# Altium PCB RS2-708_V010.PcbDoc (part 3 of 4) (continued)
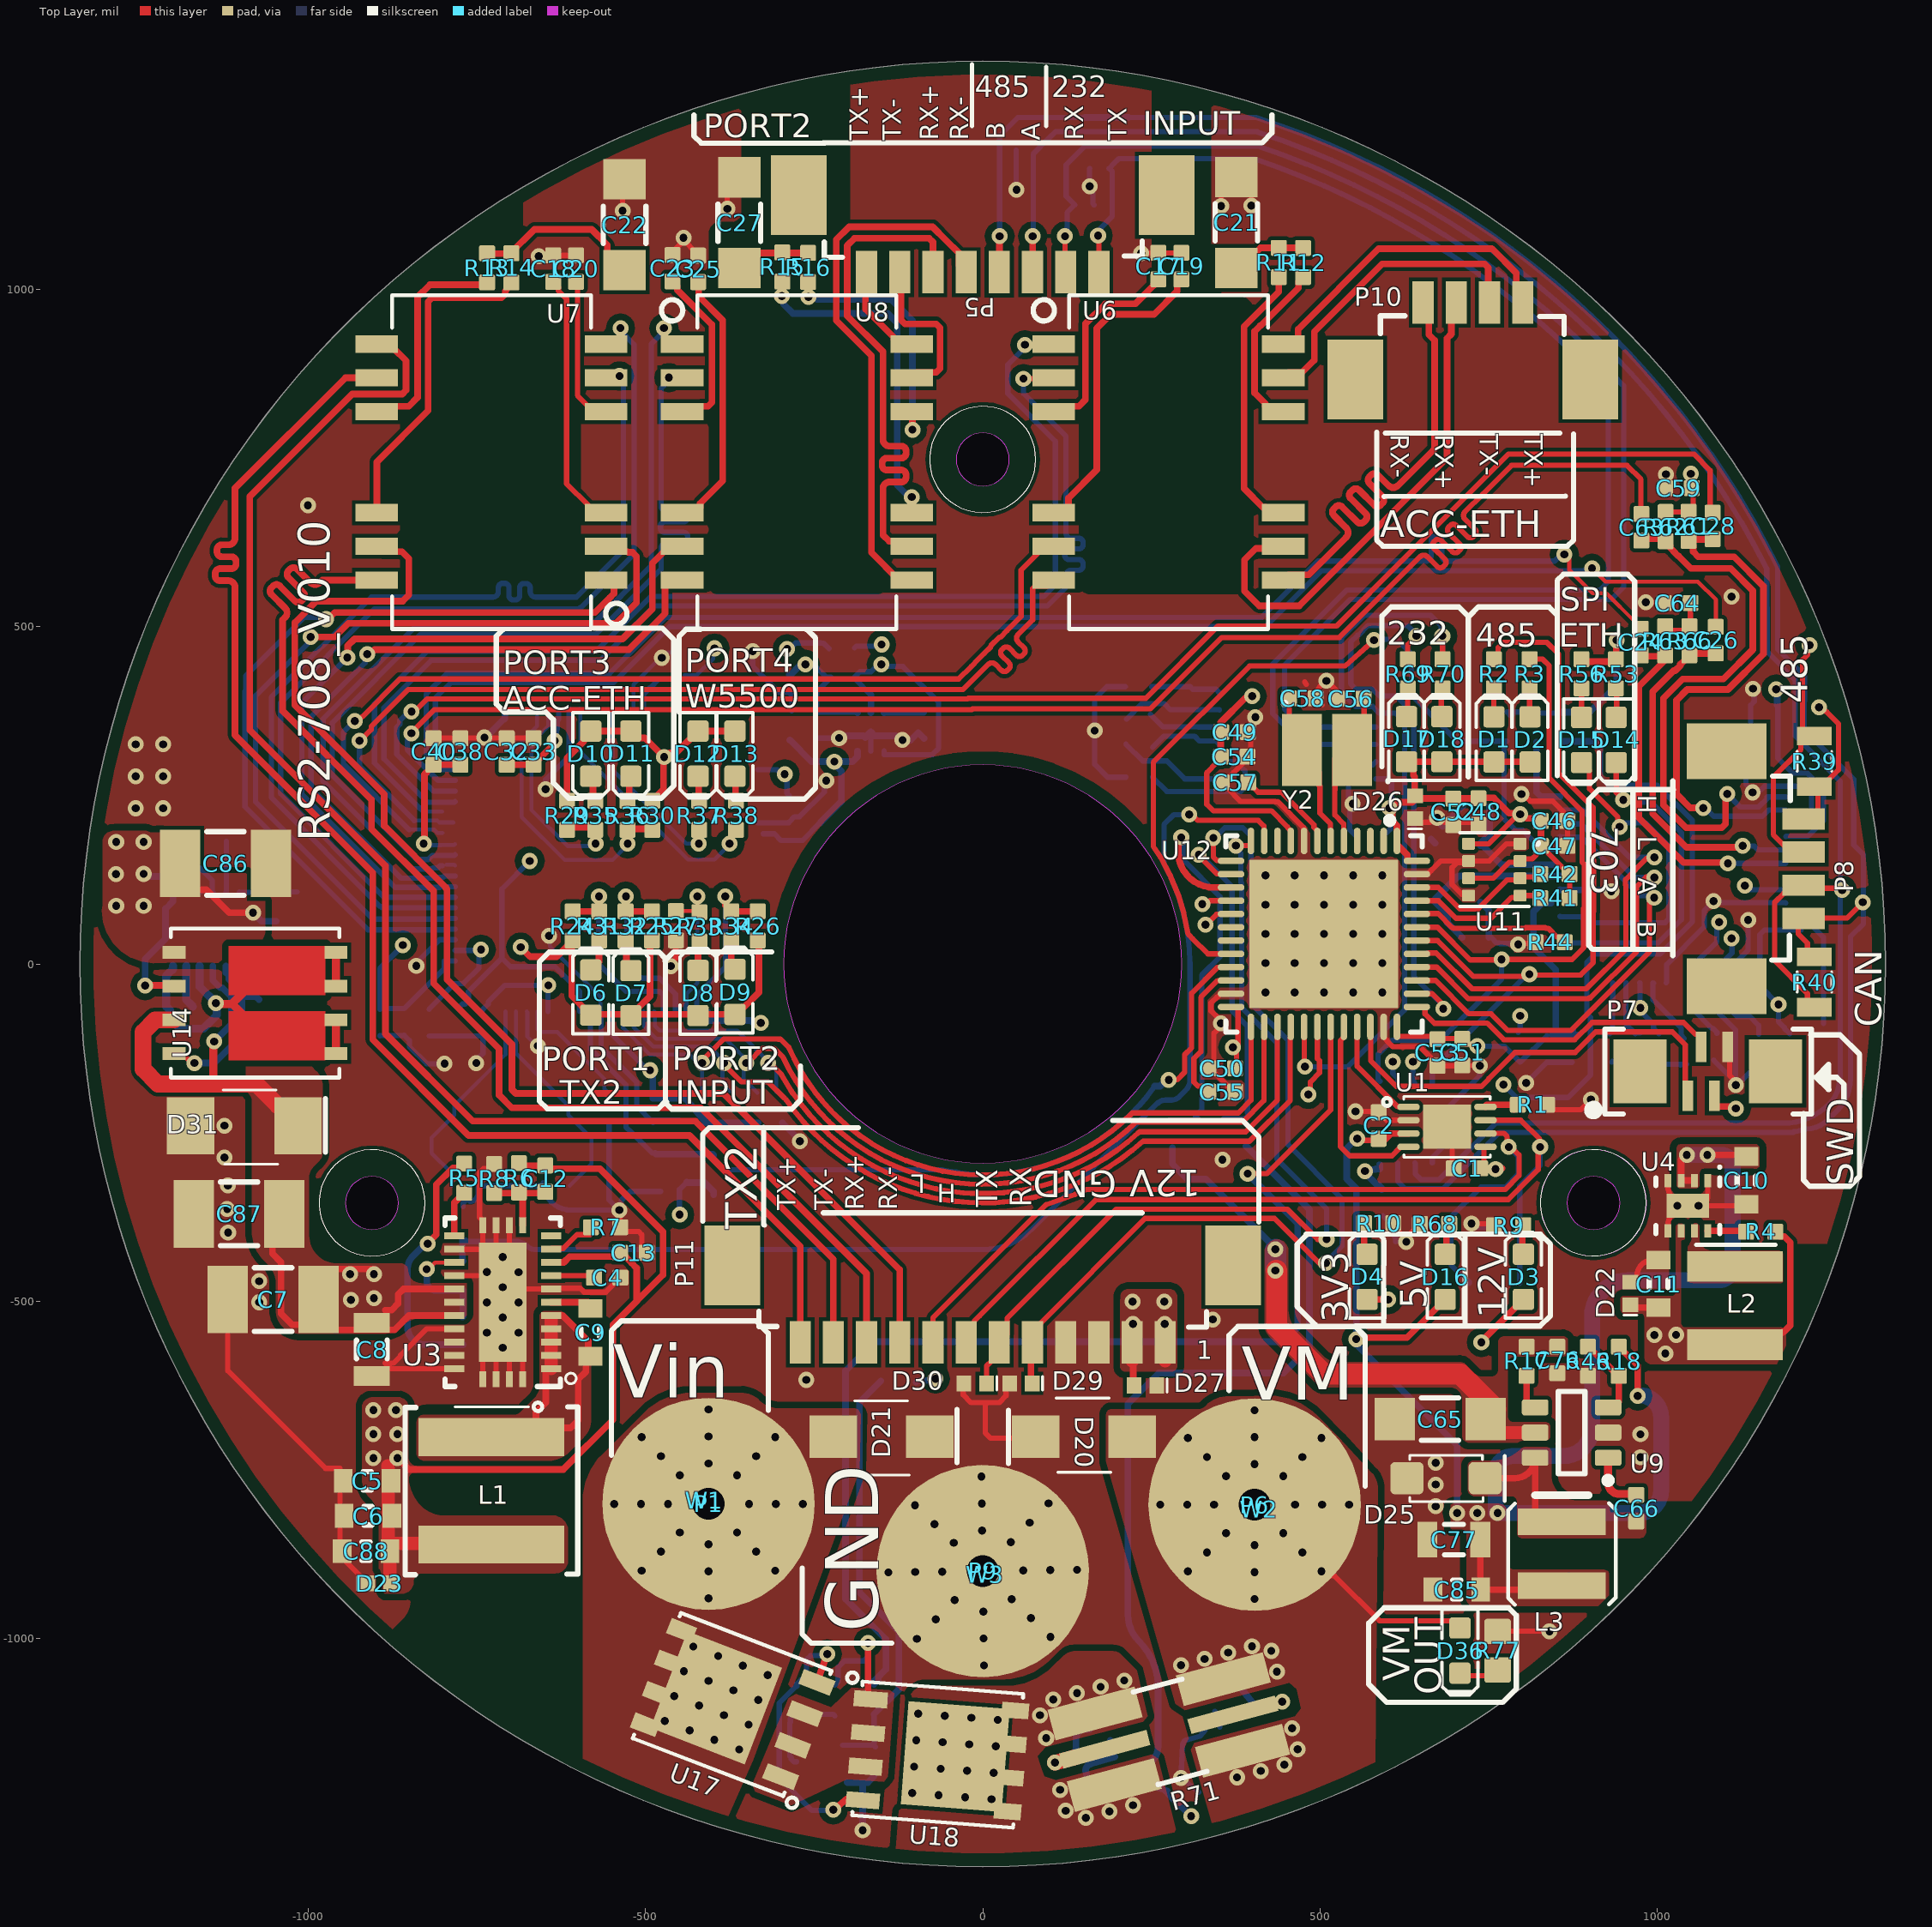
[diagram p0: Top Layer view]
## Nets (pads, with @x,y where several pads share a name; then routed paths per layer and width w, separated by ;. In a path a pad name is that pad's centre, name@x,y a point inside that pad or via, vN(x,y) a via of type N, cw(c..) or ccw(c..) an arc to the next point about the centre after c; other vN are vias at no path point) (continued)
  other v1: -178.04,-1284.74 671.63,-804.18 671.63,-771.95 671.63,-739.72 975.31,-731.36 975.31,-697.37 -261.45,-616.72 340.97,-527.2 -1072.9,-501.64 -1072.9,-470.35 628.11,-412.07 -1119.01,-398.15 -1120.36,-363.5 -1119.13,-328.64 355.53,-290.17 -1124.41,-287.22 -1124.41,-239.81 353.11,-88.05 -1255.9,230.84 -1215.19,230.84 548.62,237.33 -1255.9,278.25 -1215.19,278.25 -1255.9,325.66 -1215.19,325.66 404.31,365.76 509.76,419.7 -476,454 1110.52,544.51 -1000.61,680.07 -534,1116.68
  other v2: 1.96,-1040.22 -97.6,-1000.6 1.4,-1000.22 100.37,-997.83 -69.71,-971.93 71.7,-969.94 0.84,-960.23 -41.83,-943.25 43.02,-942.06 -139.99,-902.19 -99.99,-901.63 -59.99,-901.07 59.99,-899.39 99.99,-898.83 139.99,-898.27 -43.02,-858.4 41.83,-857.21 -0.84,-840.24 -71.7,-830.52 69.71,-828.54 -100.37,-802.63 -1.4,-800.24 97.6,-799.86 -1.96,-760.24 -711.84,-568.93 -735.46,-546.75 -688.22,-546.75 -711.84,-524.13 -735.46,-501.85 -688.22,-501.9 -711.84,-479.33 -735.46,-456.95 -688.22,-457.05 -711.84,-434.53 1029.85,-358.49 419.39,-42.12 462.69,-42.12 506,-42.12 549.31,-42.12 592.61,-42.12 419.39,1.19 462.69,1.19 506,1.19 549.31,1.19 592.61,1.19 419.39,44.5 462.69,44.5 506,44.5 549.31,44.5 592.61,44.5 419.39,87.8 462.69,87.8 506,87.8 549.31,87.8 592.61,87.8 419.39,131.11 462.69,131.11 506,131.11 549.31,131.11 592.61,131.11
  other v4: 0,-900.23
HGATE: R49.2 U14.4 U15.8 | length 266
  Top Layer w7.87: U14.4@-1199,-133 -1193.44,-138.56 -1181.49,-138.56 -1173.05,-147 v3(-1169,-147)
  Bottom Layer w10: v3(-1169,-147) -1139.53,-147 -1098.38,-105.85 -1098.38,-42 ; U15.8@-1121.94,-3 -1121.94,-13.06 -1118.09,-16.91 -1118.09,-22.29 -1098.38,-42 ; R49.2@-1073,-53 -1077.54,-48.46 -1091.92,-48.46 -1098.38,-42
INPUT_OVLO: R50.1 R51.2 U15.5 | length 75.8
  Bottom Layer w7.87: U15.5@-1121.94,106.45 -1121.35,107.05 R50.1@-1121.35,146 R51.2@-1121.35,182
INPUT_UVLO: R47.1 R48.2 U15.6 | length 85.7
  Bottom Layer w7.87: U15.6@-1102.26,106.45 -1101.84,106.03 -1048.62,106.03 R47.1@-1048,106.65 R48.2@-1017,106.65
KSZ_ISET: R23.2 U10.77 | length 189.1
  Bottom Layer w5.91: U10.77@-660.36,-70.41 -660.36,-97.14 -656.9,-100.6 -630.75,-100.6 -560.93,-170.43 -560.93,-185.42 R23.2@-554,-192.35 ; R23.2@-557.5,-195.85 R23.2@-552,-201.35
KSZ_MISO: R22.1 U10.66 U12.27 | length 1229.8
  Top Layer w7.87: v1@-320.15,-142.06 -299.58,-162.63 cw(c-305.13,-168.21) -298.23,-164.41 ccw(c0,0) -283.7,-188.38 cw(c-290.26,-192.74) -282.68,-190.63 ; -281.95,-190.99 ccw(c0,0) -281.03,-192.34 ccw(c0,0) 230.26,-250.91 ccw(c0,0) 232.79,-248.56 234,-249 389.97,-249 436.73,-202.25 436.73,-93.68 U12.27@437.1,-93.3
  Bottom Layer w5.91: U10.66@-487.13,-70.41 -486.15,-71.39 -486.15,-91.8 -478.99,-98.95 -364.05,-98.95 -326,-137 ; v1@-314.27,-147.08 -306,-155.35 R22.1@-306,-190
  other v1: -317.99,-146.86
KSZ_MOSI: R21.1 U10.68 U12.28 | length 1291.9
  Top Layer w7.87: v1@-385,-147.15 -385,-147.54 -357.54,-175 -318,-175 -294,-199 ; -291.72,-201.12 ccw(c0,0) 237.25,-263.17 ; 238,-263 395.46,-263 456,-202.46 456,-110.24 456.41,-109.83 456.41,-93.68 U12.28@456.79,-93.3
  Bottom Layer w5.91: U10.68@-518.63,-70.41 -517.65,-71.39 -517.65,-93.71 -488.78,-122.57 -405.43,-122.57 v1@-386.5,-141.5 ; v1@-386,-149 -386,-172.35 -379.86,-178.49 -379.86,-183.49 -374.67,-188.67 R21.1@-369.67,-188.67
  other v1: -383.42,-146.86
KSZ_NCS: R20.1 U10.69 U12.25 | length 1261.7
  Top Layer w7.87: v1@-418,-145.23 -384.2,-111.43 -303.31,-111.43 -303.15,-111.59 -300.03,-111.59 -287.85,-123.77 ; -287.57,-123.56 ccw(c0,0) 220.84,-221.79 ; 222,-221 379,-221 397.93,-202.07 397.93,-93.5 U12.25@397.73,-93.3
  Bottom Layer w5.91: U10.69@-534.38,-70.41 -533.39,-71.39 -533.39,-94.66 -493.67,-134.39 -435.61,-134.39 ; -434.78,-134.72 -416,-153.51 -416,-186.35 -408.17,-194.17 R20.1@-408.67,-194.67
  other v1: -416.14,-146.86
KSZ_nRST: C31.1 D5.2 R28.2 U10.72 U12.21 | length 1301
  Top Layer w7.87: v1(275.8,-171.82) 288.18,-171.82 299.46,-160.54 299.46,-134.56 309.68,-124.35 309.68,-43.32 347.91,-5.09 367.83,-5.09 U12.21@368.2,-4.72
  Bottom Layer w7.87: U10.72@-581.62,-70.41 -581.62,-126.49 -529,-179.11 -529,-242 -521.25,-249.75 ; -521,-249.5 -489.94,-280.57 C31.1@-486,-280.57 ; D5.2@-399,-283.47 -399,-288.39 -384.67,-302.72 -382.37,-305.03 -60.78,-305.03 -51.14,-306.95 -50.53,-307.55 -45.69,-308.03 -44.93,-308.18 -44.15,-308.18 -38.87,-308.7 -38.42,-308.8 ccw(c0,-134.83) 0,-312.99 ccw(c0,0) 255.21,-181.19 ccw(c0,0) 256.02,-180.04
  Bottom Layer w9.84: C31.1@-486,-280.57 -484.55,-282.02 -400.45,-282.02 D5.2@-399,-283.47 ; 254.87,-181.19 255.21,-181.19 263.14,-181.19 272.51,-171.82 v1(275.8,-171.82)
KSZ_SCK: R19.1 U10.67 U12.26 | length 1240
  Top Layer w7.87: v1@-346.86,-145.11 -326.96,-125.21 -309.02,-125.21 -296.33,-137.89 -296.33,-138.47 -295.67,-139.13 ccw(c0,0) 227.04,-235.01 ; 228,-234.78 384.71,-234.78 417.04,-202.45 417.04,-93.68 U12.26@417.42,-93.3
  Bottom Layer w5.91: U10.67@-502.88,-70.41 -501.9,-71.39 -501.9,-92.75 -483.88,-110.76 -381.82,-110.76 -361.78,-130.81 -361.78,-131.01 v1@-354.6,-138.19 ; v1@-354.6,-147.37 -354.6,-168.81 -355.57,-169.77 -334.35,-191 R19.1@-334,-191
  other v1: -350.7,-146.86
LED1_0: R24.1 R31.1 U10.65 | length 290.2
  Top Layer w9.84: R24.1@-608.01,78 R31.1@-568.83,78 -564.35,78 R31.1@-564.05,77.69
  Bottom Layer w7.87: v1@-569.84,104.74 -569.84,0.25 -528.71,-40.88 -479.12,-40.88 -473.35,-46.65 -473.35,-70.41 U10.65@-471.39,-70.41
  other v1: -569.07,100.06
LED1_1: R25.1 R32.1 U10.64 | length 263.6
  Top Layer w9.84: R32.1@-529.64,78 -492.85,78 R25.1@-490.51,75.66
  Bottom Layer w7.87: v1@-527.76,104.96 -527.76,-3.89 -511.01,-20.65 -505.4,-20.65 -504.69,-21.36 -479.16,-21.36 -455.64,-44.88 U10.64@-455.64,-70.41
  other v1: -529.03,100.06
LED2_0: R27.1 R33.1 U10.63 | length 224.8
  Top Layer w5.91: R27.1@-454.92,78.31 R33.1@-421.7,78.31 ; v1@-423.29,95.42 -423.29,79.9 R33.1@-421.7,78.31 ; R33.1@-420.9,77.52 R33.1@-421.7,78.31
  Bottom Layer w5.91: -439.89,-44.89 -423.29,-28.29 v1@-423.29,95.42
  Bottom Layer w7.87: U10.63@-439.89,-70.41 -439.89,-44.89
  other v1: -423.29,100.06
LED2_1: R26.1 R34.1 U10.62 | length 243
  Top Layer w9.84: v1@-381.61,90.54 -381.61,86.81 -378.97,84.18 -378.97,80.19 R34.1@-372.78,74 ; R34.1@-372.91,78 -334.06,78 R26.1@-330.29,74.23
  Bottom Layer w7.87: U10.62@-424.14,-70.41 -424.14,-47.24 -381.61,-4.71 v1@-381.61,90.54
  other v1: -381.61,100.06
LED3_0: R29.1 R35.1 U10.25 | length 334.6
  Top Layer w9.84: R29.1@-616.34,201.73 -615.64,202.43 R35.1@-578.47,202.43 ; R35.1@-574.64,200.78 -574.34,200.48 -574.34,177.67 v1@-574.05,177.37
  Bottom Layer w5.91: U10.25@-645.6,377.43 U10.25@-644.61,378.41 ; U10.25@-644,371 -644,353 -669.16,327.84 -669.16,228.25 -615.8,174.89 -576.52,174.89 v1@-574.05,177.37
  other v1: -574.05,178.42
LED3_1: R30.1 R36.1 U10.24 | length 412.4
  Top Layer w9.84: v1@-526.5,177.37 -526.65,177.52 -526.65,200.04 -526.8,200.19 R30.1@-489.58,200.19
  Bottom Layer w5.91: U10.24@-661,367 -661,352.7 -683.65,330.05 -683.65,217.93 -619.92,154.2 -548.65,154.2 -526.5,176.34 v1@-526.5,177.37
  other v1: -526.5,178.42
LED4_0: R37.1 U10.31 | length 298.1
  Top Layer w9.84: v1@-423.76,174.71 -420.7,177.77 -420.7,206.81 R37.1@-420.4,207.11
  Bottom Layer w5.91: U10.31@-550.13,378.41 -549.14,377.43 -549.14,358.46 -548.9,358.22 -548.9,287.85 -439.48,178.42 v1(-421,178.42)
LED4_1: R38.1 U10.28 | length 391.9
  Top Layer w9.84: v1@-375.28,177.37 -372.65,180.01 -372.65,197.06 R38.1@-365.89,203.82
  Bottom Layer w5.91: U10.28@-597.37,378.41 -596.6,377.64 -596.6,314.27 -436.92,154.59 -397.67,154.59 -375.28,176.99 v1@-375.28,177.37
  other v1: -375.28,178.42
LINKLED: D14.1 U13.25 | length 489.3
  Top Layer w7.87: D14.1@939.31,298.65 939.31,254.09 949.9,243.5 v1(949.9,243.17)
  Bottom Layer w7.87: U13.25@856.04,31.2 1001.56,31.2 1036,65.64 1036,194.58 990.58,240 977.46,240 974.29,243.17 v1(949.9,243.17)
NetC4_1: C4.1 U3.8 | length 64.8
  Top Layer w7.87: U3.8@-639.84,-462.28 -581.84,-462.27 C4.1@-577.01,-467.09
NetC9_1: C9.1 L1.1 U3.1 U3.2 U3.3 U3.4 U3.5 | length 626.1
  Top Layer w9.84: L1.1@-728.54,-701.73 -713.44,-701.73 L1.1@-699.52,-701.73 ; L1.1@-701.14,-723.69 L1.1@-679.18,-701.73 ; U3.1@-639.84,-600.08 -647.79,-600.06 -647.79,-650 -662.37,-664.58 -662.37,-678.5 -685.6,-701.73 L1.1@-699.52,-701.73 ; U3.5@-639.84,-521.34 -622.77,-521.32 -585.05,-559.05 -585.05,-578.57 C9.1@-581.8,-581.82 ; C9.1@-581.8,-586.42 -584.23,-586.42 -588.5,-590.68 -588.5,-604.6 -599.79,-615.9 -599.79,-676.6 -611.27,-688.08 L1.1@-635.56,-688.08 ; L1.1@-699.52,-701.73 L1.1@-679.18,-701.73 ; L1.1@-679.18,-701.73 -649.21,-701.73 L1.1@-635.56,-688.08 ; L1.1@-679.18,-701.73 -665.53,-688.08 L1.1@-635.56,-688.08
  Top Layer w19.68: U3.1@-639.84,-600.08 U3.2@-639.84,-580.39 U3.3@-639.84,-560.71 U3.4@-639.84,-541.02 U3.5@-639.84,-526.24
NetC9_2: C9.2 U3.6 | length 73.8
  Top Layer w9.84: U3.6@-639.84,-501.64 -585.7,-501.64 -585.7,-513.15 C9.2@-579.94,-518.92
NetC12_2: C12.2 R6.1 R8.2 U3.12 | length 125
  Top Layer w9.84: R8.2@-724.39,-339.82 R6.1@-687.14,-339.82 ; R6.1@-687.95,-339 R6.1@-687.14,-339.82 ; U3.12@-682.17,-387.48 -682.16,-344.79 R6.1@-687.14,-339.82 ; C12.2@-650.78,-338.49 -652.11,-339.82 R6.1@-687.14,-339.82
NetC16_1: C16.1 U5.6 | length 59
  Bottom Layer w9.84: U5.6@-146.32,372.44 -146.32,372.56 -145.82,373.06 C16.1@-87.62,373.06
NetC17_1: C17.1 U6.3 | length 298.1
  Top Layer w9.84: U6.3@105.51,819.09 113.39,826.97 142.61,826.97 152.36,836.71 152.36,949.25 181.97,978.86 226.39,978.86 253.59,1006.06 253.59,1008.05 255.5,1009.95 C17.1@257.49,1009.95
NetC18_1: C18.1 U7.3 | length 370.1
  Top Layer w7.87: C18.1@-637,1011.32 -629.13,1003.44 -629.13,998.13 -617,986 -617,712 -584.84,679.84 -584.84,676.97 -576.87,669 U7.3@-574,669
NetC19_1: C19.1 U6.6 | length 469.8
  Top Layer w9.84: U6.6@105.51,669.09 119.43,669.09 127.31,676.97 127.31,690.89 169.14,732.72 169.14,942.34 189.92,963.11 254.08,963.11 288.48,997.51 288.48,1008.93 C19.1@294.44,1014.89
NetC20_1: C20.1 U7.6 | length 188.8
  Top Layer w7.87: -601,999.32 -601,843 U7.6@-578,820
NetC21_1: C21.1 R11.1 R12.1 | length 89.6
  Top Layer w9.84: C21.1@395.03,1044.84 395.03,1049.45 402.57,1057 407.19,1057 411.85,1061.65 R11.1@439,1061.65 R12.1@475,1061.65
NetC22_1: C22.1 R13.1 R14.1 | length 250
  Top Layer w9.84: R13.1@-734.03,1053.07 -700.77,1053.07 -664.76,1089.08 -579.84,1089.08 -556.53,1065.76 -556.53,1053.68 -531.53,1028.68 C22.1@-531,1028.68
NetC23_1: C23.1 U8.3 | length 230
  Top Layer w10: C23.1@-459.87,1011.7 -453.06,1004.89 -453.06,999.43 -401.46,947.83 -401.46,832.75 -407.32,826.89 -419.17,826.89 U8.3@-423.9,822.16
NetC25_1: C25.1 U8.6 | length 374.1
  Top Layer w9.84: U8.6@-428.71,673.08 -422.99,673.08 -419.09,676.97 -419.09,682.7 -385.64,716.15 -385.64,954.39 -421.36,990.12 -421.36,1010.33 C25.1@-421.96,1010.93
NetC27_1: C27.1 R15.1 R16.1 | length 119.6
  Top Layer w10: C27.1@-366.6,1025.77 -338.03,1054.34 R16.1@-258.88,1054.34
NetC55_1: C55.1 U12.22 | length 211.8
  Top Layer w7.87: C55.1@329.04,-190.91 329.04,-183.31 327.02,-181.3 319.42,-181.3 313.24,-175.11 313.24,-140.27 323.46,-130.06 323.46,-49.54 348.22,-24.78 367.83,-24.78 U12.22@368.2,-24.4
NetC62_1: C62.1 U13.20 | length 103.1
  Bottom Layer w7.87: U13.20@994.59,-28.6 U13.20@993.83,-27.85 993.83,-53.07 1035.81,-95.05 1035.81,-106.13 C62.1@1040.34,-110.66
NetC64_1: C64.1 R63.1 R66.2 | length 84.2
  Top Layer w7.87: R63.1@1011.86,500.8 1018.45,494.21 R66.2@1052.96,494.21 ; R66.2@1049.47,494.79 1049.47,535.08 C64.1@1049.54,535.15
NetC66_1: C66.1 U9.1 | length 88.7
  Top Layer w11.81: U9.1@927.39,-732.33 927.39,-769.11 ccw(c944.21,-769.11) 944.21,-785.94 967.68,-785.94 cw(c967.68,-787.23) C66.1@968.98,-787.23
NetC90_1: C90.1 U15.11 | length 64
  Bottom Layer w12: U15.11@-1181,-3 -1181,-53.32 C90.1@-1171.32,-63
NetC91_1: C91.1 R49.1 | length 38.6
  Bottom Layer w12: R49.1@-1073,-96.31 -1069.03,-92.34 C91.1@-1036,-92.34
NetD1_1: D1.1 R2.2 | length 42.3
  Top Layer w7.87: R2.2@757.99,408.6 757.99,366.5 D1.1@758.12,366.37
NetD2_1: D2.1 R3.2 | length 41.3
  Top Layer w7.87: R3.2@810.93,408.6 810.93,368.86 D2.1@812.02,367.77
NetD3_1: D3.1 R9.2 | length 53.8
  Top Layer w9.84: D3.1@800.16,-433.35 800.16,-389.02 R9.2@801.62,-387.57 ; D3.1@807.41,-424.88 D3.1@812.6,-419.69
NetD4_1: D4.1 R10.2 | length 51.4
  Top Layer w9.84: R10.2@565.42,-384.35 565.42,-432.51 D4.1@567.71,-434.8
NetD6_1: D6.1 R31.2 | length 58.7
  Top Layer w10: D6.1@-583.95,-17.78 -583.95,-11.83 D6.1@-581.13,-9.01 -568.83,3.3 R31.2@-568.83,34.69
NetD7_1: D7.1 R32.2 | length 47.7
  Top Layer w10: R32.2@-529.64,34.69 -528.3,33.34 D7.1@-528.3,-12.5
NetD8_1: D8.1 R33.2 | length 42.5
  Top Layer w10: D8.1@-422.2,-9.65 -422.2,30.68 R33.2@-420.67,32.21
NetD9_1: D9.1 R34.2 | length 46.7
  Top Layer w9.84: R34.2@-372.91,34.69 -372.91,-11.79 D9.1@-372.78,-11.92
NetD10_1: D10.1 R35.2 | length 39.6
  Top Layer w9.84: D10.1@-581.13,278.32 -577.88,275.07 -577.88,249.2 R35.2@-571.46,242.77
NetD11_1: D11.1 R36.2 | length 40.8
  Top Layer w9.84: R36.2@-527.61,239.97 -524.26,243.31 -524.26,275.78 D11.1@-521.72,278.32
NetD12_1: D12.1 R37.2 | length 31.5
  Top Layer w9.84: D12.1@-422.2,278.32 -421.3,277.42 -421.3,247.68 R37.2@-420.96,247.33
NetD13_1: D13.1 R38.2 | length 33.5
  Top Layer w9.84: D13.1@-370.09,278.91 -366.64,275.46 -366.64,247.89 R38.2@-365.89,247.13
NetD14_2: D14.2 R53.1 | length 42.2
  Top Layer w7.87: R53.1@938.88,408.6 940.04,407.45 D14.2@940.04,366.9
NetD15_2: D15.2 R56.1 | length 50.1
  Top Layer w7.87: D15.2@887.28,358.68 887.8,359.2 R56.1@887.8,408.6
NetD16_1: D16.1 R68.2 | length 48
  Top Layer w9.84: D16.1@687.7,-431.96 R68.2@687.7,-383.91
NetD17_1: D17.1 R69.2 | length 48.7
  Top Layer w7.87: D17.1@626.43,361.46 630.22,365.24 R69.2@630.22,408.6
NetD18_1: D18.1 R70.2 | length 51.6
  Top Layer w7.87: D18.1@680.02,357.75 680.02,406.79 R70.2@681.82,408.6
NetD19_1: D19.1 R72.1 U17.1 U17.2 U17.3 U18.1 U18.2 U18.3 | length 184.5
  Top Layer w9.84: v1(-170.22,-1006.73) -170.22,-1086.37 U18.1@-166.12,-1090.47
  Bottom Layer w7.87: R72.1@-219.24,-1069.25 -214.69,-1064.7 -214.69,-1042.79 -205.33,-1033.42 D19.1@-174.7,-1033.42 ; D19.1@-174.7,-1031.76 -170.22,-1027.27 v1(-170.22,-1006.73)
NetD19_2: D19.2 R73.1 U17.4 U18.4 | length 420.1
  Top Layer w9.84: U17.4@-245.84,-1065.24 v1(-230.36,-1023.26) ; v1(-221.45,-1254.28) -200.69,-1237.49 -196.61,-1237.94 U18.4@-177.69,-1240.02
  Bottom Layer w7.87: v1(-230.36,-1023.26) -232.75,-1025.65 -255.21,-1025.65 D19.2@-261.32,-1031.76 -261.32,-1056.57 -266.13,-1061.38 -269.44,-1061.38 -275.66,-1067.59 -275.66,-1070.91 -276.72,-1070.91 -301.77,-1095.95 -301.77,-1206.62 -253.2,-1255.19 v1@-225,-1255.19
NetD36_1: D36.1 R77.2 | length 61.6
  Top Layer w7.87: D36.1@709.87,-1052.96 712.14,-1055.23 R77.2@770.57,-1055.23
NetL2_1: L2.1 U4.7 | length 72.7
  Top Layer w9.84: L2.1@1050.4,-430.69 1068.11,-448.4 L2.1@1115.77,-448.4
NetR1_2: R1.2 U1.8 | length 50.8
  Top Layer w7.87: R1.2@787.68,-216.66 R1.2@788.35,-216
  Top Layer w9.84: U1.8@745.58,-212.11 cw(c748.89,-212.11) 748.89,-208.8 R1.2@793.5,-208.8
NetR4_2: R4.2 U4.8 | length 57.6
  Top Layer w9.84: U4.8@1075.12,-395.89 1130.75,-395.89 cw(c1130.75,-397.18) R4.2@1132.04,-397.18
NetR5_1: R5.1 U3.16 | length 70
  Top Layer w9.84: U3.16@-783.54,-403.23 -783.54,-354.17 R5.1@-768.74,-339.38
NetR7_2: R7.2 U3.10 | length 66.5
  Top Layer w7.87: U3.10@-639.84,-422.91 -638.85,-421.91 -621.92,-421.91 -601.53,-401.52 R7.2@-582.21,-401.52
NetR11_2: R11.2 U6.11 | length 392
  Top Layer w9.84: U6.11@426.6,665.98 426.6,669.46 419.09,676.97 415.62,676.97 387.45,705.13 387.45,945.07 439,996.62 R11.2@439,1018.35
NetR12_2: R12.2 U6.14 | length 240.7
  Top Layer w9.84: U6.14@429.13,820.68 425.38,820.68 419.09,826.97 419.09,830.71 403.2,846.61 403.2,938.09 411.45,946.33 412.08,946.33 468.11,1002.37 468.11,1011.46 R12.2@475,1018.35
NetR13_2: R13.2 U7.11 | length 306
  Top Layer w9.84: U7.11@-876,822.82 -871.85,826.97 -866.12,826.97 ; -866.08,827 -851,827 -838,840 -838,989 -820,1007 -738.35,1007 R13.2@-735,1010.35
NetR14_2: R14.2 U7.14 | length 484
  Top Layer w9.84: U7.14@-898.43,669.09 -898.43,744.35 -822.25,820.52 -822.25,981.94 -816.49,987.71 -713.85,987.71 -708.08,993.47 -708.08,997.69 -705.89,999.88 -705.89,1003.46 R14.2@-699,1010.35
NetR15_2: R15.2 U8.11 | length 461
  Bottom Layer w9.84: v1(-297.91,990.37) -295.28,987.74 -295.28,978.16 -281.57,964.45 -140.8,964.45 -126.78,950.43 -126.78,709.78 -116.15,699.15 -115.79,699.15 v1@-107.51,690.87
  other v1: -105.17,692.26
NetR16_2: R16.2 U8.14 | length 354.3
  Top Layer w9.84: U8.14@-105.51,819.09 -104.15,817.73 v1(-104.15,792.14)
  Bottom Layer w9.84: v1@-255.59,986.34 -246.52,986.34 -245.66,985.47 -135.54,985.47 -104.15,954.08 v1(-104.15,792.14)
  other v1: -258.32,988.97
NetR17_1: R17.1 U9.4 | length 55.3
  Top Layer w9.84: R17.1@806.39,-610.87 806.39,-650.64 813.28,-657.53 U9.4@819.12,-657.53
NetR18_1: R18.1 R46.2 U9.3 | length 116.9
  Top Layer w9.84: R46.2@897.6,-567.57 R18.1@943.21,-610.87 943.21,-649.58 934.38,-658.41 U9.3@934.38,-661.19
NetR60_2: R60.2 U13.23 | length 108.7
  Bottom Layer w7.87: R60.2@929.69,-103.35 934.03,-99.01 934.03,-58.91 934.03,-28.6 U13.23@934.78,-27.85 934.78,-58.91
NetR65_1: R65.1 R74.2 R75.1 T1.1 | length 640.4
  Bottom Layer w7.87: T1.1@-208.07,-1158.35 R75.1@-163.6,-1158.35 ; R74.2@-161.17,-1112.56 -161.17,-1158.92 R75.1@-159.32,-1160.76
  Bottom Layer w9.84: R74.2@-161.17,-1112.56 -124.34,-1075.73 -124.34,-990.13 -182.74,-931.73 -182.74,-649.98 R65.1@-150.95,-618.18
NetR67_1: R67.1 R78.1 U3.18 | length 161.7
  Top Layer w5.91: v1(-824.56,-452.57) -821.96,-452.57 -812.24,-442.85 -783.81,-442.85 U3.18@-783.54,-442.6
  Bottom Layer w9.84: v1@-824.26,-456 -824.41,-456 -824.41,-471.04 ccw(c-811.59,-471.04) -811.59,-483.86 R67.1@-770.58,-483.86 R78.1@-770.58,-521.16 -770.58,-522 cw(c-771.86,-522) R78.1@-771.86,-523.28
NetR71_1: R71.1 U18.5 U18.6 U18.7 U18.8
  other v1: 152.73,-1266.22 187.82,-1256.82 122.96,-1255.56 222.92,-1247.41 114.67,-1224.65 94.07,-1147.78 85.02,-1113.97 104.66,-1090.68 139.75,-1081.28 174.85,-1071.87 209.94,-1062.47
NetR72_2: R72.2 R73.2 T1.3 | length 141
  Bottom Layer w7.87: R73.2@-277.31,-1112.56 -221.7,-1112.56 R72.2@-219.24,-1115.02 ; R73.2@-277.29,-1111 -285.19,-1118.9 -285.19,-1124.3 -285.93,-1125.04 -285.93,-1174.67 -283.88,-1176.72 -283.88,-1179 -279.94,-1182.94 T1.3@-276.01,-1182.94
nRST: C57.1 U12.7 | length 149.7
  Top Layer w7.87: C57.1@393.63,269.31 408.28,254.67 439.34,254.67 439.74,254.27 443.21,254.27 491.24,206.24 491.24,202.51 496.16,197.59 U12.7@496.16,182.29
OSC_IN: C56.2 U12.5 Y2.2 | length 206.8
  Top Layer w7.87: Y2.2@526.09,307.94 522.39,304.24 522.39,258.43 522.05,258.09 522.05,220.94 535.15,207.84 535.15,187.92 U12.5@535.34,187.73 ; Y2.2@547.98,317.3 565.65,334.97 C56.2@565.65,389.4
OSC_OUT: C58.2 U12.6 Y2.1 | length 231.3
  Top Layer w7.87: Y2.1@451.29,307.94 Y2.1@464.69,294.54 ; Y2.1@454.45,362.64 C58.2@454.45,392.03 ; Y2.1@464.69,271.44 Y2.1@464.69,294.54 ; Y2.1@474.35,308.81 498.77,284.39 498.77,264.64 499.94,263.47 499.94,255.86 500.1,255.7 500.1,223.4 515.47,208.03 U12.6@515.47,182.6 ; Y2.1@476.4,282.83 Y2.1@464.69,294.54
RS232_RX: D34.2 P5.2 U16.13 | length 2163
  Top Layer w7.87: v1(122,1079) 122,1048.24 124,1046.24 P5.2@123.03,1045.28
  Bottom Layer w7.87: v1(122,1079) 125.01,1082.01 125.01,1091.41 125.09,1091.49 125.09,1114.03 136.55,1125.49 123.74,1138.3 123.74,1184.8 134.06,1195.12 151.45,1212.52 408.65,1212.52 409.31,1212.52 ; 408.44,1212.59 cw(c0,0) 948.51,858.78 ; U16.13@583.14,351.2 474.35,351.2 447.57,377.99 447.57,442.7 545.45,540.59 932.15,540.59 950.57,559.02 950.57,857.66
RS232_TX: D35.2 P5.1 U16.14 | length 2077.2
  Top Layer w7.87: v1(171,1080) 172.24,1078.76 P5.1@172.24,1045.28
  Bottom Layer w7.87: v1(171,1080) 174.01,1083.01 174.01,1090.27 191.93,1108.19 191.93,1175.5 D35.2@188.19,1179.24 ; D35.2@187.21,1179.24 195.08,1187.11 202,1194.02 401.87,1194.02 ; 402.41,1193.85 cw(c0,0) 927.44,852.68 ; U16.14@583.14,325.61 475.78,325.61 430.19,371.2 430.19,444.81 539.75,554.37 915.31,554.37 927.55,566.6 927.55,852.35
RS485_A: D37.1 P5.3 P8.3 R40.2 U2.6 | length 3322.3
  Top Layer w7.87: P8.3@1192.71,109.76 1192.71,107.84 1189.68,104.82 1187.76,104.82 1174.49,91.54 1174.49,4.52 1222.95,-43.94 1222.95,-54.26 1232.8,-64.11 R40.2@1243.12,-64.11 ; P8.3@1213.94,112.16 1271.81,112.16 v1(1274.52,109.45)
  Top Layer w10: P5.3@73.82,1045.28 70,1049.09 74,1053.09 v1(74,1079)
  Bottom Layer w7.87: v1(74,1079) 75.01,1080.01 75.01,1201.17 97.84,1224 ; 97.9,1223.94 107.95,1234 404.61,1234 407.45,1233.67 cw(c-3.02,-9.18) 1162.58,586.26 1163.55,472.48 1163.55,472.41 1163.55,462.39 1204.8,421.13 1204.8,395.43 1204.56,395.19 1204.56,338.3 1271.4,271.46 v1@1271.4,120 ; U2.6@641,-295.11 641.7,-295.81 641.7,-311.59 649.91,-319.8 676.99,-319.8 760.79,-236 1196.15,-236 ccw(c1185.02,-136.78) 1196.62,-235.95 ccw(c1185.02,-136.78) 1255.62,-207.38 ccw(c1215.56,-169.06) 1271,-169.06 1271.51,-168.55 1271.51,106.43 v1(1274.52,109.45) ; v1@1271,109.45 v1@1271,117.15
RS485_B: D37.2 P5.4 P8.4 R40.1 U2.7 | length 3387.5
  Top Layer w7.87: P8.4@1201.15,67.1 1209.35,58.9 1209.35,44.47 1222.95,30.86 1222.95,20.54 1232.8,10.7 R40.1@1243.12,10.7 ; P8.4@1229,67.97 1281.58,67.97 v1(1305.06,91.45)
  Top Layer w10: P5.4@24.61,1045.28 24.61,1078.61 v1(25,1079)
  Bottom Layer w7.87: v1(25,1079) 25,1228 52,1255 151,1255 ; 216,1255 404,1255 ; 405.68,1254.95 cw(c1.13,3.51) 1178.69,589.3 1178.69,466.73 1218.58,426.84 1218.58,389.72 1218.34,389.48 1218.34,346.91 1218.58,346.68 1291.65,273.6 1291.65,176.35 1306,162 1306,59.74 1286.75,40.49 1286.75,-169.66 cw(c1218.64,-169.66) 1266.81,-217.81 1254.21,-230.41 cw(c1219.03,-195.28) 1220.7,-244.97 ccw(c1220.97,-252.84) 1218.64,-245.32 cw(c1185.02,-136.78) 1202.6,-249.03 1201.86,-249.78 1196.15,-249.78 981.32,-249.78 789,-249.78 771.06,-249.78 766.5,-249.78 682.7,-333.58 626.71,-333.58 615.41,-322.28 U2.7@615.41,-295.11
  Bottom Layer w9.84: 151,1255 216,1255
RXE_485: U2.2 U12.17 | length 466.9
  Top Layer w7.87: v1@334.69,61.61 346.73,73.65 367.83,73.65 U12.17@368.2,74.02
  Layer 2 w7.87: v1@332.52,54.12 368.22,18.42 368.22,-41.06 419.16,-92 555,-92 v1(608,-145)
  Bottom Layer w7.87: v1(608,-145) 608.11,-145.11 608.11,-162.54 612.73,-167.16 613.44,-167.16 615.41,-169.13 U2.2@615.41,-177
  other v1: 330.29,58.07
SW: R50.2 U15.4 | length 49.1
  Bottom Layer w7.87: R50.2@-1164.65,146 -1142.41,123.75 -1142.41,107.23 U15.4@-1141.63,106.45
SW_5V: C66.2 D25.1 L3.1 U9.6 | length 184.6
  Top Layer w9.84: D25.1@745.13,-762.5 788.94,-762.5 ccw(c788.94,-732.33) U9.6@819.06,-734.2 ; L3.1@819.06,-827.38 U9.6@819.06,-734.2 ; U9.6@819.12,-732.33 cw(c788.94,-732.33) U9.6@819.06,-734.2
  Top Layer w19.68: D25.1@745.13,-762.5 D25.1@745.3,-762.33
SWDCLK: P7.2 U12.37 | length 487
  Top Layer w7.87: U12.37@643.8,-63.77 655.02,-63.77 655.93,-64.68 655.93,-74.32 669.75,-88.13 697.57,-88.13 698.05,-87.65 747.82,-87.65 772.63,-112.46 877.91,-112.46 903.59,-86.78 1039.28,-86.78 1056.63,-104.13 1061.33,-104.13 1068.13,-110.94 P7.2@1068.13,-126.77
SWDIO: P7.1 U12.34 | length 657.2
  Top Layer w5.91: U12.34@574.9,-93.3 U12.34@575.67,-94.07
  Top Layer w7.87: U12.34@575.27,-100.78 575.27,-143.6 613.23,-181.55 739.45,-181.55 750.35,-170.65 750.35,-170.03 789.16,-131.21 878.64,-131.21 908.98,-100.88 1022.76,-100.88 1041.64,-119.76 1041.64,-205.66 P7.1@1044.22,-208.24
TX2_DBG_UART1_RX: D29.1 P11.5 U12.13 | length 1434.8
  Top Layer w7.87: P11.5@73.82,-588.58 84.65,-577.76 84.65,-533.47 240.67,-377.44 432.69,-377.44 499.81,-444.56 501.03,-443.34 v1(509.07,-443.34) ; v1(342,186.9) 342,158.36 347.22,153.14 367.83,153.14 U12.13@368.2,152.76
  Top Layer w9.84: P11.5@71.54,-574.93 71.54,-588.58 71.54,-619.96 D29.1@73.45,-621.87
  Bottom Layer w7.87: v1(342,186.9) 344,186.9 359.02,201.91 385.71,201.91 397.73,189.89 397.73,-58.59 452.72,-113.58 452.72,-268.06 532.7,-348.04 532.7,-418.5 518.3,-432.9 518.3,-434.31
TX2_DBG_UART1_TX: D30.1 P11.6 U12.12 | length 1314.7
  Top Layer w7.87: D30.1@5.71,-621.87 5.71,-596.02 12.8,-588.93 12.8,-588.58 13.32,-588.06 P11.6@13.67,-588.06 ; P11.6@24.61,-561.02 36.42,-549.21 36.42,-525.02 197.78,-363.66 451.87,-363.66 496.66,-408.45 509.95,-408.45 514.39,-408.45 513.69,-407.75 513.19,-408.26 v1(509.95,-408.26) ; v1(375.3,175.4) 396.82,175.4 397.73,176.31 U12.12@397.73,182.29
  Bottom Layer w7.87: v1(375.3,175.4) 375.3,171.14 382.77,163.66 382.77,121.08 383.95,119.9 383.95,-64.3 436.03,-116.37 436.03,-289.14 509.95,-363.06 v1(509.95,-408.26)
TXE_485: U2.3 U12.16 | length 530.9
  Top Layer w7.87: v1@323.93,88.52 v1(325.64,88.52) 331.88,88.52 337.07,93.71 U12.16@368.2,93.71
  Layer 2 w7.87: v1@328.86,91.08 382,37.94 382,-35.35 424.87,-78.22 573.58,-78.22 638,-142.64 v1(638,-145)
  Bottom Layer w7.87: v1(638,-145) 638.11,-145.11 638.11,-162.54 639.03,-163.46 639.03,-175.03 U2.3@641,-177
UART1_RX: R3.1 U2.1 U12.43 | length 1047.6
  Top Layer w7.87: U12.43@643.8,54.34 674.57,54.34 722.79,6.12 768.76,6.12 v1(769.36,6.71) 873.84,6.71 891.17,24.04 891.17,82.36 891.91,83.09 891.91,147.74 888.78,150.87 888.78,226.56 839.96,275.37 839.96,442.29 830.34,451.91 R3.1@810.93,451.91
  Bottom Layer w7.87: U2.1@589,-174 586.35,-171.35 586.35,-133.65 607,-113 678.91,-113 769.36,-22.55 v1(769.36,6.71)
UART1_TX: R2.1 U2.4 U12.42 | length 1115.9
  Top Layer w7.87: U12.42@643.8,34.65 674.42,34.65 727.57,-18.49 801.25,-18.49 801.78,-17.96 808.99,-17.96 810.62,-16.32 v1(810.62,-15.22) 811.89,-16.49 886.73,-16.49 904.95,1.73 904.95,76.65 905.68,77.38 905.68,153.45 904.95,154.19 904.95,231.92 853.75,283.11 853.75,459.72 836.7,476.77 772.21,476.77 764.27,468.83 764.27,458.18 R2.1@757.99,451.91
  Bottom Layer w7.87: U2.4@666.59,-177 666.59,-156.06 807.71,-14.94 807.99,-15.22 v1(810.62,-15.22)
UART7_232_RX: R70.1 U12.29 U16.12 | length 1084.7
  Top Layer w7.87: U12.29@476.47,-93.3 476.85,-93.68 476.85,-151.64 v1(477.65,-152.44) ; v1@680.67,485.18 681.82,484.02 R70.1@681.82,451.91
  Bottom Layer w7.87: v1(477.65,-152.44) 541.56,-152.44 625.57,-68.43 625.57,359.11 612.81,371.87 588.06,371.87 U16.12@583.14,376.8 578.22,381.72 552.85,381.72 531.96,402.6 531.96,483.32 565.53,516.89 664.21,516.89 680.02,501.08 v1@680.02,480.82
  other v1: 681.54,486.27
UART7_232_TX: R69.1 U12.38 U16.11 | length 839
  Top Layer w7.87: R69.1@630.22,451.91 630.22,473.28 v1(643.2,486.27) ; U12.38@643.8,-44.09 643.93,-44.22 666.34,-44.22 679.89,-57.77 679.89,-63.47 v1(682.91,-66.48)
  Bottom Layer w7.87: v1@646.38,485.05 629.64,501.8 571.24,501.8 557.02,487.58 555.7,487.58 545.74,477.61 545.74,415.04 553.47,407.31 578.22,407.31 588.06,397.46 612.81,397.46 639.35,370.92 639.35,-18.67 682.91,-62.22 v1(682.91,-66.48)
V+: C81.1 U16.2 | length 216.9
  Bottom Layer w7.87: C81.1@251.69,277 272.95,255.73 382.49,255.73 389,262.24 389,286.63 375.6,300.02 U16.2@350.86,300.02
V-: C82.1 U16.6 | length 103.7
  Bottom Layer w7.87: C82.1@250.69,411 307.8,411 311.49,407.31 345.94,407.31 U16.6@350.86,402.39
V_IN: C86.1 D21.2 P1.1 R47.2 U14.1 U15.2 U15.3 U17.5 U17.6 U17.7 U17.8 | length 287.7
  Top Layer w10: C86.1@-1190.32,149 -1190.32,134.86 -1165.4,109.94 -1151.26,109.94 -1117.32,76 v3(-1082,76)
  Bottom Layer w10: v1(-1244.21,133.52) -1240.52,133.52 -1236.57,129.56 -1191.25,129.56 -1184.86,123.17 -1184.86,117.43 -1181,113.57 U15.2@-1181,106.45 U15.3@-1161.31,106.45 ; v3(-1082,76) -1069.35,63.35 R47.2@-1048,63.35
  other v1: -1284.92,86.11 -1244.21,86.11 -1285.17,133.37 -1284.92,180.93 -1244.21,180.93
  other v2: -406.61,-940.61 -406.61,-900.61 -505.61,-899.6 -307.62,-899.6 -477.32,-871.32 -335.9,-871.32 -406.61,-860.61 -449.04,-843.03 -364.19,-843.03 -546.61,-800.61 -506.61,-800.61 -466.61,-800.61 -346.61,-800.61 -306.61,-800.61 -266.61,-800.61 -449.04,-758.18 -364.19,-758.18 -406.61,-740.61 -477.32,-729.9 -335.9,-729.9 -505.61,-701.61 -307.62,-701.61 -406.61,-700.61 -406.61,-660.61
  other v3: -361.22,-1164.72 -397.97,-1150.6 -434.72,-1136.48 -347.1,-1127.97 -471.49,-1122.35 -383.85,-1113.85 -420.6,-1099.73 -332.98,-1091.22 -457.37,-1085.6 -369.73,-1077.1 -406.48,-1062.98 -318.86,-1054.47 -443.25,-1048.85 -355.61,-1040.35 -392.36,-1026.23 -429.12,-1012.1
  other v4: -406.61,-800.61